# KiCad board panel.kicad_pcb (continued)
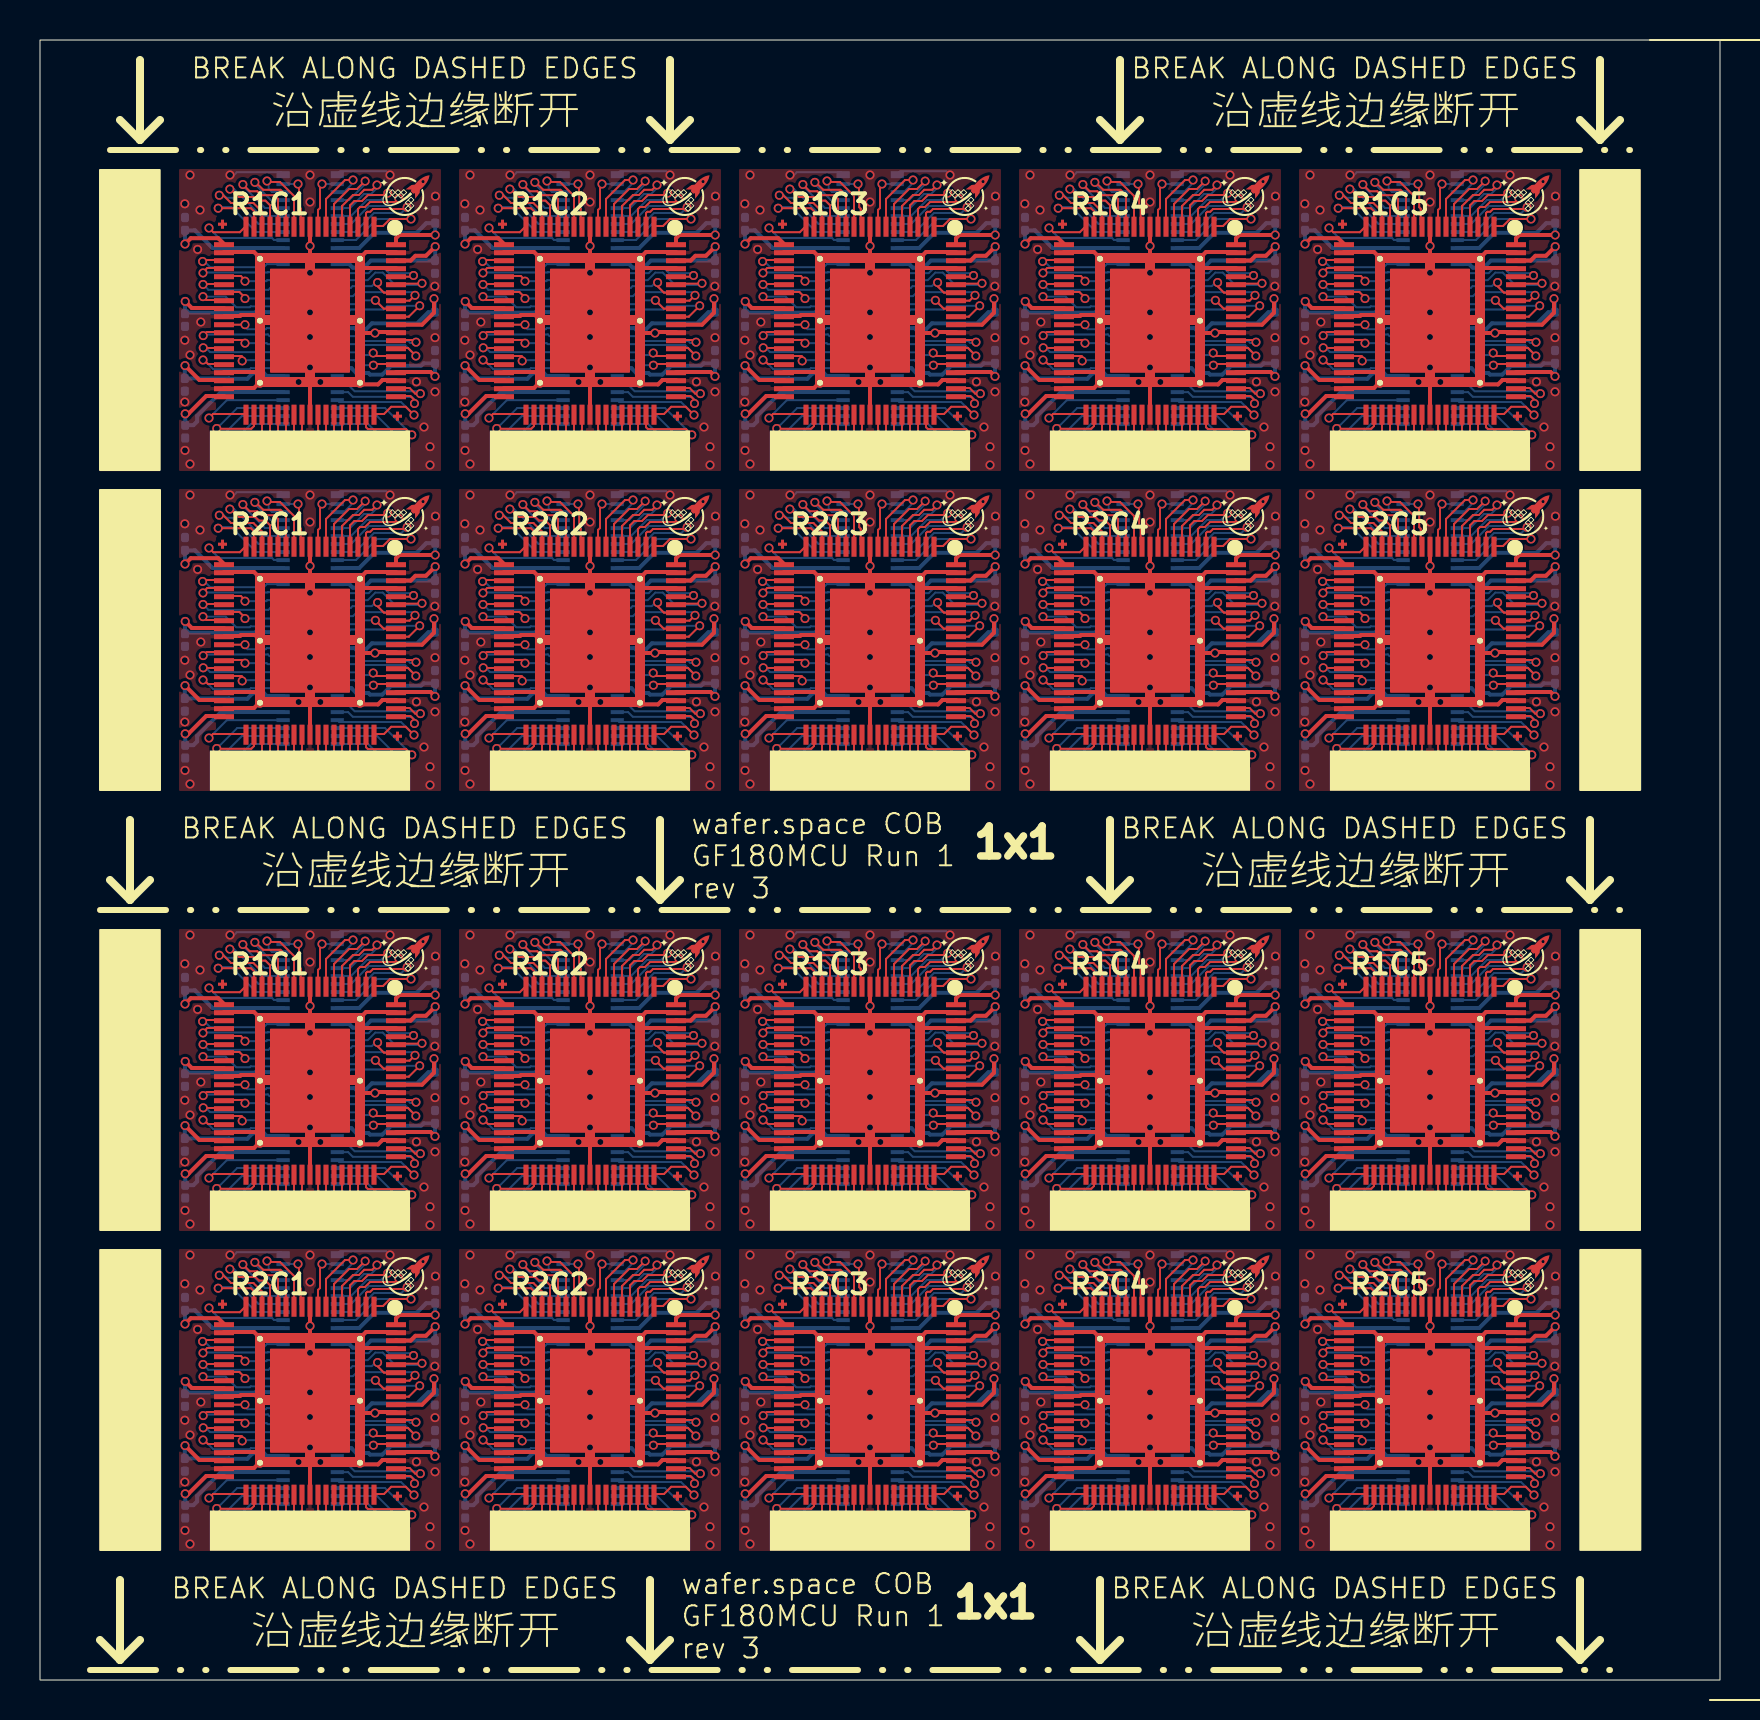
[diagram p0: board, top side]
## Nets (continued)
/pad_55: U101.26 U101#2.26 U102.56 U102#2.56 U103.26 U103#2.26 U104.56 U104#2.56 U105.26 U105#2.26 U106.56 U106#2.56 U107.26 U107#2.26 U108.56 U108#2.56 U109.26 U109#2.26 U110.56 U110#2.56 U111.26 U111#2.26 U112.56 U112#2.56 U113.26 U113#2.26 U114.56 U114#2.56 U115.26 U115#2.26 U116.56 U116#2.56 U117.26 U117#2.26 U118.56 U118#2.56 U119.26 U119#2.26 U120.56 U120#2.56
/pad_58: U101.23 U101#2.23 U102.59 U102#2.59 U103.23 U103#2.23 U104.59 U104#2.59 U105.23 U105#2.23 U106.59 U106#2.59 U107.23 U107#2.23 U108.59 U108#2.59 U109.23 U109#2.23 U110.59 U110#2.59 U111.23 U111#2.23 U112.59 U112#2.59 U113.23 U113#2.23 U114.59 U114#2.59 U115.23 U115#2.23 U116.59 U116#2.59 U117.23 U117#2.23 U118.59 U118#2.59 U119.23 U119#2.23 U120.59 U120#2.59
/pad_59: U101.22 U101#2.22 U102.60 U102#2.60 U103.22 U103#2.22 U104.60 U104#2.60 U105.22 U105#2.22 U106.60 U106#2.60 U107.22 U107#2.22 U108.60 U108#2.60 U109.22 U109#2.22 U110.60 U110#2.60 U111.22 U111#2.22 U112.60 U112#2.60 U113.22 U113#2.22 U114.60 U114#2.60 U115.22 U115#2.22 U116.60 U116#2.60 U117.22 U117#2.22 U118.60 U118#2.60 U119.22 U119#2.22 U120.60 U120#2.60
/pad_60: U101.21 U101#2.21 U102.61 U102#2.61 U103.21 U103#2.21 U104.61 U104#2.61 U105.21 U105#2.21 U106.61 U106#2.61 U107.21 U107#2.21 U108.61 U108#2.61 U109.21 U109#2.21 U110.61 U110#2.61 U111.21 U111#2.21 U112.61 U112#2.61 U113.21 U113#2.21 U114.61 U114#2.61 U115.21 U115#2.21 U116.61 U116#2.61 U117.21 U117#2.21 U118.61 U118#2.61 U119.21 U119#2.21 U120.61 U120#2.61
/pad_61: U101.20 U101#2.20 U102.62 U102#2.62 U103.20 U103#2.20 U104.62 U104#2.62 U105.20 U105#2.20 U106.62 U106#2.62 U107.20 U107#2.20 U108.62 U108#2.62 U109.20 U109#2.20 U110.62 U110#2.62 U111.20 U111#2.20 U112.62 U112#2.62 U113.20 U113#2.20 U114.62 U114#2.62 U115.20 U115#2.20 U116.62 U116#2.62 U117.20 U117#2.20 U118.62 U118#2.62 U119.20 U119#2.20 U120.62 U120#2.62
/pad_64: U101.17 U101#2.17 U102.65 U102#2.65 U103.17 U103#2.17 U104.65 U104#2.65 U105.17 U105#2.17 U106.65 U106#2.65 U107.17 U107#2.17 U108.65 U108#2.65 U109.17 U109#2.17 U110.65 U110#2.65 U111.17 U111#2.17 U112.65 U112#2.65 U113.17 U113#2.17 U114.65 U114#2.65 U115.17 U115#2.17 U116.65 U116#2.65 U117.17 U117#2.17 U118.65 U118#2.65 U119.17 U119#2.17 U120.65 U120#2.65
/pad_65: U101.16 U101#2.16 U102.66 U102#2.66 U103.16 U103#2.16 U104.66 U104#2.66 U105.16 U105#2.16 U106.66 U106#2.66 U107.16 U107#2.16 U108.66 U108#2.66 U109.16 U109#2.16 U110.66 U110#2.66 U111.16 U111#2.16 U112.66 U112#2.66 U113.16 U113#2.16 U114.66 U114#2.66 U115.16 U115#2.16 U116.66 U116#2.66 U117.16 U117#2.16 U118.66 U118#2.66 U119.16 U119#2.16 U120.66 U120#2.66
/pad_66: U101.15 U101#2.15 U102.67 U102#2.67 U103.15 U103#2.15 U104.67 U104#2.67 U105.15 U105#2.15 U106.67 U106#2.67 U107.15 U107#2.15 U108.67 U108#2.67 U109.15 U109#2.15 U110.67 U110#2.67 U111.15 U111#2.15 U112.67 U112#2.67 U113.15 U113#2.15 U114.67 U114#2.67 U115.15 U115#2.15 U116.67 U116#2.67 U117.15 U117#2.15 U118.67 U118#2.67 U119.15 U119#2.15 U120.67 U120#2.67
/pad_67: U101.14 U101#2.14 U102.68 U102#2.68 U103.14 U103#2.14 U104.68 U104#2.68 U105.14 U105#2.14 U106.68 U106#2.68 U107.14 U107#2.14 U108.68 U108#2.68 U109.14 U109#2.14 U110.68 U110#2.68 U111.14 U111#2.14 U112.68 U112#2.68 U113.14 U113#2.14 U114.68 U114#2.68 U115.14 U115#2.14 U116.68 U116#2.68 U117.14 U117#2.14 U118.68 U118#2.68 U119.14 U119#2.14 U120.68 U120#2.68
/pad_68: U101.13 U101#2.13 U102.69 U102#2.69 U103.13 U103#2.13 U104.69 U104#2.69 U105.13 U105#2.13 U106.69 U106#2.69 U107.13 U107#2.13 U108.69 U108#2.69 U109.13 U109#2.13 U110.69 U110#2.69 U111.13 U111#2.13 U112.69 U112#2.69 U113.13 U113#2.13 U114.69 U114#2.69 U115.13 U115#2.13 U116.69 U116#2.69 U117.13 U117#2.13 U118.69 U118#2.69 U119.13 U119#2.13 U120.69 U120#2.69
/pad_69: U101.12 U101#2.12 U102.70 U102#2.70 U103.12 U103#2.12 U104.70 U104#2.70 U105.12 U105#2.12 U106.70 U106#2.70 U107.12 U107#2.12 U108.70 U108#2.70 U109.12 U109#2.12 U110.70 U110#2.70 U111.12 U111#2.12 U112.70 U112#2.70 U113.12 U113#2.12 U114.70 U114#2.70 U115.12 U115#2.12 U116.70 U116#2.70 U117.12 U117#2.12 U118.70 U118#2.70 U119.12 U119#2.12 U120.70 U120#2.70
PWR_AUX_0: C105.1 C105#2.1 C113.1 C113#2.1 C121.1 C121#2.1 C129.1 C129#2.1 C137.1 C137#2.1 C145.1 C145#2.1 C153.1 C153#2.1 C161.1 C161#2.1 C169.1 C169#2.1 C177.1 C177#2.1 U101.54 U101#2.54 U102.26 U102#2.26 U103.54 U103#2.54 U104.26 U104#2.26 U105.54 U105#2.54 U106.26 U106#2.26 U107.54 U107#2.54 U108.26 U108#2.26 U109.54 U109#2.54 U110.26 U110#2.26 U111.54 U111#2.54 U112.26 U112#2.26 U113.54 U113#2.54 U114.26 U114#2.26 U115.54 U115#2.54 U116.26 U116#2.26 U117.54 U117#2.54 U118.26 U118#2.26 U119.54 U119#2.54 U120.26 U120#2.26
PWR_AUX_1: C106.1 C106#2.1 C114.1 C114#2.1 C122.1 C122#2.1 C130.1 C130#2.1 C138.1 C138#2.1 C146.1 C146#2.1 C154.1 C154#2.1 C162.1 C162#2.1 C170.1 C170#2.1 C178.1 C178#2.1 U101.19 U101#2.19 U102.64 U102#2.64 U103.19 U103#2.19 U104.64 U104#2.64 U105.19 U105#2.19 U106.64 U106#2.64 U107.19 U107#2.19 U108.64 U108#2.64 U109.19 U109#2.19 U110.64 U110#2.64 U111.19 U111#2.19 U112.64 U112#2.64 U113.19 U113#2.19 U114.64 U114#2.64 U115.19 U115#2.19 U116.64 U116#2.64 U117.19 U117#2.19 U118.64 U118#2.64 U119.19 U119#2.19 U120.64 U120#2.64

## Via types
v1: diameter 0.45, hole 0.3, Top to Bottom, 1960 vias

## Routing (per net, layer and track width the routed paths; a pad name or vN(x,y) marks a point on that pad's centre or on a via; arc(x,y) is an arc through that point)
GND: length 1147
  Top w0.2: 65.2,49.4 67,49.4 ; 65.2,11.4 67,11.4 ; 65.2,48.6 66.7,48.6 67,48.9 ; 45.8,55.4 44.3,55.4 44,55.1 ; 31.8,32.6 30,32.6 ; 65.2,14.2 66,14.2 66.05,14.25 66.75,14.25 67,14 ; 27.5,63.3 27.5,64.9 ; 23.2,33.4 24.7,33.4 25,33.1 ; 72,33.1 72.3,33.4 73.8,33.4 ; 41.5,9.3 41.5,10.9 ; 31.8,13.4 30.9,13.4 30.85,13.35 v1(30.75,13.35) 30.1,13.35 30,13.45 ; 11,33.1 10.7,33.4 9.2,33.4 ; 72,51.45 72.1,51.35 v1(72.75,51.35) 72.85,51.35 72.9,51.4 73.8,51.4 ; 53,33.1 52.7,33.4 51.2,33.4 ; 44,67.45 44.1,67.35 v1(44.75,67.35) 44.85,67.35 44.9,67.4 45.8,67.4 ; 67,26.9 66.7,26.6 65.2,26.6 ; 39,48.9 38.7,48.6 37.2,48.6 ; 55.5,25.3 55.5,26.9 ; 69.5,72.7 v1(69.5,71.7) 69.5,71.15 69.45,71.1 ; 13.5,72.7 v1(13.5,71.7) 13.5,71.15 13.45,71.1 ; 58,33.1 58.3,33.4 59.8,33.4 ; 39,30 38.75,30.25 38.05,30.25 38,30.2 37.2,30.2 ; 17.8,27 17.12,27 16.9,26.78 16.12,26.78 16,26.9 ; 72,48.9 72.12,48.78 72.9,48.78 73.12,49 73.8,49 ; 73.8,65 73.12,65 72.9,64.78 72.12,64.78 72,64.9 ; 23.2,30.2 24,30.2 24.05,30.25 24.75,30.25 25,30 ; 44,33.1 44.3,33.4 45.8,33.4 ; 9.2,71.4 10.7,71.4 11,71.1 ; 59.8,49 59.12,49 58.9,48.78 58.12,48.78 58,48.9 ; 51.2,68.2 52,68.2 52.05,68.25 52.75,68.25 53,68 ; 45.8,13.4 44.9,13.4 44.85,13.35 v1(44.75,13.35) 44.1,13.35 44,13.45 ; 59.8,54.6 58,54.6 ; 25,64.9 24.7,64.6 23.2,64.6 ; 53,48.9 52.7,48.6 51.2,48.6 ; 69.5,18.7 v1(69.5,17.7) 69.5,17.15 69.45,17.1 ; 67,10.9 66.7,10.6 65.2,10.6 ; 9.2,27.4 11,27.4 ; 69.5,56.7 v1(69.5,55.7) 69.5,55.15 69.45,55.1 ; 69.5,63.3 69.5,64.9 ; 25,10.9 24.7,10.6 23.2,10.6 ; 44,48.9 44.12,48.78 44.9,48.78 45.12,49 45.8,49 ; 13.5,18.7 v1(13.5,17.7) 13.5,17.15 13.45,17.1 ; 13.5,47.3 13.5,48.9 ; 65.2,30.2 66,30.2 66.05,30.25 66.75,30.25 67,30 ; 58,13.45 58.1,13.35 v1(58.75,13.35) 58.85,13.35 58.9,13.4 59.8,13.4 ; 41.45,33.1 41.5,33.15 v1(41.5,33.7) 41.5,34.7 ; 25,48.9 24.7,48.6 23.2,48.6 ; 73.8,70.6 72,70.6 ; 45.8,29.4 44.9,29.4 44.85,29.35 v1(44.75,29.35) 44.1,29.35 44,29.45 ; 58,10.9 58.12,10.78 58.9,10.78 59.12,11 59.8,11 ; 11,10.9 10.7,10.6 9.2,10.6 ; 27.45,55.1 27.5,55.15 v1(27.5,55.7) 27.5,56.7 ; 31.8,51.4 30.9,51.4 30.85,51.35 v1(30.75,51.35) 30.1,51.35 30,51.45 ; 9.2,52.2 10,52.2 10.05,52.25 10.75,52.25 11,52 ; 25,52 24.75,52.25 24.05,52.25 24,52.2 23.2,52.2 ; 51.2,10.6 52.7,10.6 53,10.9 ; 58,26.9 58.12,26.78 58.9,26.78 59.12,27 59.8,27 ; 37.2,11.4 39,11.4 ; 9.2,26.6 10.7,26.6 11,26.9 ; 23.2,71.4 24.7,71.4 25,71.1 ; 72,17.1 72.3,17.4 73.8,17.4 ; 37.2,71.4 38.7,71.4 39,71.1 ; 72,67.45 72.1,67.35 v1(72.75,67.35) 72.85,67.35 72.9,67.4 73.8,67.4 ; 44,26.9 44.12,26.78 44.9,26.78 45.12,27 45.8,27 ; 17.8,67.4 16.9,67.4 16.85,67.35 v1(16.75,67.35) 16.1,67.35 16,67.45 ; 55.5,9.3 55.5,10.9 ; 69.5,9.3 69.5,10.9 ; 55.45,55.1 55.5,55.15 v1(55.5,55.7) 55.5,56.7 ; 72,26.9 72.12,26.78 72.9,26.78 73.12,27 73.8,27 ; 45.8,70.6 44,70.6 ; 51.2,26.6 52.7,26.6 53,26.9 ; 45.8,65 45.12,65 44.9,64.78 44.12,64.78 44,64.9 ; 31.8,54.6 30,54.6 ; 31.8,70.6 30,70.6 ; 27.5,18.7 v1(27.5,17.7) 27.5,17.15 27.45,17.1 ; 23.2,14.2 24,14.2 24.05,14.25 24.75,14.25 25,14 ; 39,33.1 38.7,33.4 37.2,33.4 ; 41.45,55.1 41.5,55.15 v1(41.5,55.7) 41.5,56.7 ; 69.5,47.3 69.5,48.9 ; 25,55.1 24.7,55.4 23.2,55.4 ; 30,10.9 30.12,10.78 30.9,10.78 31.12,11 31.8,11 ; 37.2,68.2 38,68.2 38.05,68.25 38.75,68.25 39,68 ; 9.2,65.4 11,65.4 ; 17.8,17.4 16.3,17.4 16,17.1 ; 23.2,17.4 24.7,17.4 25,17.1 ; 58,71.1 58.3,71.4 59.8,71.4 ; 65.2,65.4 67,65.4 ; 73.8,13.4 72.9,13.4 72.85,13.35 v1(72.75,13.35) 72.1,13.35 72,13.45 ; 51.2,11.4 53,11.4 ; 9.2,11.4 11,11.4 ; 17.8,16.6 16,16.6 ; 39,17.1 38.7,17.4 37.2,17.4 ; 53,14 52.75,14.25 52.05,14.25 52,14.2 51.2,14.2 ; 73.8,11 73.12,11 72.9,10.78 72.12,10.78 72,10.9 ; 55.45,71.1 55.5,71.15 v1(55.5,71.7) 55.5,72.7 ; 16,48.9 16.12,48.78 16.9,48.78 17.12,49 17.8,49 ; 69.45,33.1 69.5,33.15 v1(69.5,33.7) 69.5,34.7 ; 59.8,32.6 58,32.6 ; 11,30 10.75,30.25 10.05,30.25 10,30.2 9.2,30.2 ; 23.2,68.2 24,68.2 24.05,68.25 24.75,68.25 25,68 ; 45.8,54.6 44,54.6 ; 41.5,72.7 v1(41.5,71.7) 41.5,71.15 41.45,71.1 ; 39,55.1 38.7,55.4 37.2,55.4 ; 44,71.1 44.3,71.4 45.8,71.4 ; 17.8,29.4 16.9,29.4 16.85,29.35 v1(16.75,29.35) 16.1,29.35 16,29.45 ; 16,71.1 16.3,71.4 17.8,71.4 ; 65.2,68.2 66,68.2 66.05,68.25 66.75,68.25 67,68 ; 45.8,32.6 44,32.6 ; 11,55.1 10.7,55.4 9.2,55.4 ; 13.45,33.1 13.5,33.15 v1(13.5,33.7) 13.5,34.7 ; 73.8,71.4 72.3,71.4 72,71.1 ; 41.5,25.3 41.5,26.9 ; 39,26.9 38.7,26.6 37.2,26.6 ; 53,71.1 52.7,71.4 51.2,71.4 ; 27.45,33.1 27.5,33.15 v1(27.5,33.7) 27.5,34.7 ; 9.2,17.4 10.7,17.4 11,17.1 ; 65.2,52.2 66,52.2 66.05,52.25 66.75,52.25 67,52 ; 65.2,33.4 66.7,33.4 67,33.1 ; 27.5,72.7 v1(27.5,71.7) 27.5,71.15 27.45,71.1 ; 37.2,14.2 38,14.2 38.05,14.25 38.75,14.25 39,14 ; 51.2,52.2 52,52.2 52.05,52.25 52.75,52.25 53,52 ; 30,29.45 30.1,29.35 v1(30.75,29.35) 30.85,29.35 30.9,29.4 31.8,29.4 ; 9.2,49.4 11,49.4 ; 30,71.1 30.3,71.4 31.8,71.4 ; 69.5,25.3 69.5,26.9 ; 67,55.1 66.7,55.4 65.2,55.4 ; 51.2,30.2 52,30.2 52.05,30.25 52.75,30.25 53,30 ; 9.2,64.6 10.7,64.6 11,64.9 ; 73.8,54.6 72,54.6 ; 59.8,67.4 58.9,67.4 58.85,67.35 v1(58.75,67.35) 58.1,67.35 58,67.45 ; 16,51.45 16.1,51.35 v1(16.75,51.35) 16.85,51.35 16.9,51.4 17.8,51.4 ; 23.2,49.4 25,49.4 ; 39,52 38.75,52.25 38.05,52.25 38,52.2 37.2,52.2 ; 39,64.9 38.7,64.6 37.2,64.6 ; 17.8,11 17.12,11 16.9,10.78 16.12,10.78 16,10.9 ; 27.5,9.3 27.5,10.9 ; 41.5,63.3 41.5,64.9 ; 59.8,55.4 58.3,55.4 58,55.1 ; 31.8,49 31.12,49 30.9,48.78 30.12,48.78 30,48.9 ; 17.8,65 17.12,65 16.9,64.78 16.12,64.78 16,64.9 ; 17.8,55.4 16.3,55.4 16,55.1 ; 13.5,9.3 13.5,10.9 ; 16,33.1 16.3,33.4 17.8,33.4 ; 65.2,64.6 66.7,64.6 67,64.9 ; 13.45,55.1 13.5,55.15 v1(13.5,55.7) 13.5,56.7 ; 31.8,33.4 30.3,33.4 30,33.1 ; 59.8,51.4 58.9,51.4 58.85,51.35 v1(58.75,51.35) 58.1,51.35 58,51.45 ; 65.2,17.4 66.7,17.4 67,17.1 ; 39,10.9 38.7,10.6 37.2,10.6 ; 53,64.9 52.7,64.6 51.2,64.6 ; 73.8,55.4 72.3,55.4 72,55.1 ; 73.8,32.6 72,32.6 ; 9.2,68.2 10,68.2 10.05,68.25 10.75,68.25 11,68 ; 16,13.45 16.1,13.35 v1(16.75,13.35) 16.85,13.35 16.9,13.4 17.8,13.4 ; 31.8,55.4 30.3,55.4 30,55.1 ; 53,55.1 52.7,55.4 51.2,55.4 ; 37.2,49.4 39,49.4 ; 59.8,70.6 58,70.6 ; 41.5,18.7 v1(41.5,17.7) 41.5,17.15 41.45,17.1 ; 45.8,16.6 44,16.6 ; 44,17.1 44.3,17.4 45.8,17.4 ; 45.8,11 45.12,11 44.9,10.78 44.12,10.78 44,10.9 ; 51.2,17.4 52.7,17.4 53,17.1 ; 27.5,25.3 27.5,26.9 ; 55.5,63.3 55.5,64.9 ; 31.8,17.4 30.3,17.4 30,17.1 ; 9.2,48.6 10.7,48.6 11,48.9 ; 55.5,47.3 55.5,48.9 ; 13.5,63.3 13.5,64.9 ; 65.2,71.4 66.7,71.4 67,71.1 ; 55.45,17.1 55.5,17.15 v1(55.5,17.7) 55.5,18.7 ; 55.5,34.7 v1(55.5,33.7) 55.5,33.15 55.45,33.1 ; 45.8,51.4 44.9,51.4 44.85,51.35 v1(44.75,51.35) 44.1,51.35 44,51.45 ; 51.2,49.4 53,49.4 ; 31.8,27 31.12,27 30.9,26.78 30.12,26.78 30,26.9 ; 58,64.9 58.12,64.78 58.9,64.78 59.12,65 59.8,65 ; 30,67.45 30.1,67.35 v1(30.75,67.35) 30.85,67.35 30.9,67.4 31.8,67.4 ; 17.8,32.6 16,32.6 ; 59.8,29.4 58.9,29.4 58.85,29.35 v1(58.75,29.35) 58.1,29.35 58,29.45 ; 31.8,65 31.12,65 30.9,64.78 30.12,64.78 30,64.9 ; 11,14 10.75,14.25 10.05,14.25 10,14.2 9.2,14.2 ; 58,17.1 58.3,17.4 59.8,17.4 ; 51.2,27.4 53,27.4 ; 23.2,27.4 25,27.4 ; 13.5,25.3 13.5,26.9 ; 73.8,16.6 72,16.6 ; 59.8,16.6 58,16.6 ; 17.8,54.6 16,54.6 ; 65.2,27.4 67,27.4 ; 25,26.9 24.7,26.6 23.2,26.6 ; 23.2,11.4 25,11.4 ; 72,29.45 72.1,29.35 v1(72.75,29.35) 72.85,29.35 72.9,29.4 73.8,29.4 ; 23.2,65.4 25,65.4 ; 51.2,65.4 53,65.4 ; 27.5,47.3 27.5,48.9 ; 31.8,16.6 30,16.6 ; 37.2,27.4 39,27.4 ; 41.5,47.3 41.5,48.9 ; 37.2,65.4 39,65.4 ; 17.8,70.6 16,70.6
  Top w0.5: 69.5,64.9 v1(69.5,65.63) v1(69.5,67.15) v1(69.5,68.38) v1(69.5,70.36) 69.5,71.05 69.45,71.1 ; 69.5,64.9 v1(70.02,64.9) 72,64.9 72,68 ; 69.5,64.9 v1(68.93,64.9) 67,64.9 67,68 ; 69.5,26.9 v1(68.93,26.9) 67,26.9 67,30 ; 69.5,26.9 v1(69.5,27.63) v1(69.5,29.15) v1(69.5,30.38) v1(69.5,32.36) 69.5,33.05 69.45,33.1 ; 69.5,26.9 v1(70.02,26.9) 72,26.9 72,30 ; 53,68 53,71.1 55.45,71.1 ; 53,68 53,64.9 v1(54.93,64.9) 55.5,64.9 ; 53,68 58,68 ; 55.45,33.1 55.5,33.05 v1(55.5,32.36) v1(55.5,30.38) v1(55.5,29.15) v1(55.5,27.63) 55.5,26.9 ; 55.45,33.1 58,33.1 58,30 ; 55.45,33.1 53,33.1 53,30 ; 67,30 72,30 ; 67,30 67,33.1 69.45,33.1 ; 72,30 72,33.1 69.45,33.1 ; 30,52 30,55.1 27.45,55.1 ; 30,52 30,48.9 v1(28.02,48.9) 27.5,48.9 ; 30,52 25,52 ; 13.45,71.1 16,71.1 16,68 ; 13.45,71.1 11,71.1 11,68 ; 13.45,71.1 13.5,71.05 v1(13.5,70.36) v1(13.5,68.38) v1(13.5,67.15) v1(13.5,65.63) 13.5,64.9 ; 11,68 11,64.9 v1(12.93,64.9) 13.5,64.9 ; 11,68 16,68 ; 27.45,33.1 30,33.1 30,30 ; 27.45,33.1 27.5,33.05 v1(27.5,32.36) v1(27.5,30.38) v1(27.5,29.15) v1(27.5,27.63) 27.5,26.9 ; 27.45,33.1 25,33.1 25,30 ; 25,52 25,55.1 27.45,55.1 ; 25,52 25,48.9 v1(26.93,48.9) 27.5,48.9 ; 55.45,71.1 58,71.1 58,68 ; 55.45,71.1 55.5,71.05 v1(55.5,70.36) v1(55.5,68.38) v1(55.5,67.15) v1(55.5,65.63) 55.5,64.9 ; 13.5,48.9 v1(13.5,49.63) v1(13.5,51.15) v1(13.5,52.38) v1(13.5,54.36) 13.5,55.05 13.45,55.1 ; 13.5,48.9 v1(14.02,48.9) 16,48.9 16,52 ; 13.5,48.9 v1(12.93,48.9) 11,48.9 11,52 ; 72,52 72,48.9 v1(70.02,48.9) 69.5,48.9 ; 72,52 72,55.1 69.45,55.1 ; 72,52 67,52 ; 58,14 58,17.1 55.45,17.1 ; 58,14 53,14 ; 58,14 58,10.9 v1(56.02,10.9) 55.5,10.9 ; 39,14 44,14 ; 39,14 39,17.1 41.45,17.1 ; 39,14 39,10.9 v1(40.93,10.9) 41.5,10.9 ; 44,14 44,17.1 41.45,17.1 ; 44,14 44,10.9 v1(42.02,10.9) 41.5,10.9 ; 27.45,55.1 27.5,55.05 v1(27.5,54.36) v1(27.5,52.38) v1(27.5,51.15) v1(27.5,49.63) 27.5,48.9 ; 67,52 67,55.1 69.45,55.1 ; 67,52 67,48.9 v1(68.93,48.9) 69.5,48.9 ; 69.45,55.1 69.5,55.05 v1(69.5,54.36) v1(69.5,52.38) v1(69.5,51.15) v1(69.5,49.63) 69.5,48.9 ; 39,30 39,33.1 41.45,33.1 ; 39,30 44,30 ; 39,30 39,26.9 v1(40.93,26.9) 41.5,26.9 ; 44,30 44,26.9 v1(42.02,26.9) 41.5,26.9 ; 44,30 44,33.1 41.45,33.1 ; 30,14 30,17.1 27.45,17.1 ; 30,14 25,14 ; 30,14 30,10.9 v1(28.02,10.9) 27.5,10.9 ; 27.5,26.9 v1(26.93,26.9) 25,26.9 25,30 ; 27.5,26.9 v1(28.02,26.9) 30,26.9 30,30 ; 55.5,48.9 v1(55.5,49.63) v1(55.5,51.15) v1(55.5,52.38) v1(55.5,54.36) 55.5,55.05 55.45,55.1 ; 55.5,48.9 v1(54.93,48.9) 53,48.9 53,52 ; 55.5,48.9 v1(56.02,48.9) 58,48.9 58,52 ; 11,52 11,55.1 13.45,55.1 ; 11,52 16,52 ; 16,68 16,64.9 v1(14.02,64.9) 13.5,64.9 ; 53,52 53,55.1 55.45,55.1 ; 53,52 58,52 ; 16,14 16,10.9 v1(14.02,10.9) 13.5,10.9 ; 16,14 16,17.1 13.45,17.1 ; 16,14 11,14 ; 72,68 72,71.1 69.45,71.1 ; 72,68 67,68 ; 27.5,10.9 v1(27.5,11.63) v1(27.5,13.15) v1(27.5,14.38) v1(27.5,16.36) 27.5,17.05 27.45,17.1 ; 27.5,10.9 v1(26.93,10.9) 25,10.9 25,14 ; 53,14 53,10.9 v1(54.93,10.9) 55.5,10.9 ; 53,14 53,17.1 55.45,17.1 ; 13.45,33.1 11,33.1 11,30 ; 13.45,33.1 16,33.1 16,30 ; 13.45,33.1 13.5,33.05 v1(13.5,32.36) v1(13.5,30.38) v1(13.5,29.15) v1(13.5,27.63) 13.5,26.9 ; 11,30 11,26.9 v1(12.93,26.9) 13.5,26.9 ; 11,30 16,30 ; 25,30 30,30 ; 41.45,55.1 39,55.1 39,52 ; 41.45,55.1 44,55.1 44,52 ; 41.45,55.1 41.5,55.05 v1(41.5,54.36) v1(41.5,52.38) v1(41.5,51.15) v1(41.5,49.63) 41.5,48.9 ; 67,14 67,10.9 v1(68.93,10.9) 69.5,10.9 ; 67,14 72,14 ; 67,14 67,17.1 69.45,17.1 ; 72,14 72,10.9 v1(70.02,10.9) 69.5,10.9 ; 72,14 72,17.1 69.45,17.1 ; 55.5,10.9 v1(55.5,11.63) v1(55.5,13.15) v1(55.5,14.38) v1(55.5,16.36) 55.5,17.05 55.45,17.1 ; 69.5,10.9 v1(69.5,11.63) v1(69.5,13.15) v1(69.5,14.38) v1(69.5,16.36) 69.5,17.05 69.45,17.1 ; 44,68 44,64.9 v1(42.02,64.9) 41.5,64.9 ; 44,68 44,71.1 41.45,71.1 ; 44,68 39,68 ; 30,68 30,71.1 27.45,71.1 ; 30,68 30,64.9 v1(28.02,64.9) 27.5,64.9 ; 30,68 25,68 ; 13.45,17.1 11,17.1 11,14 ; 13.45,17.1 13.5,17.05 v1(13.5,16.36) v1(13.5,14.38) v1(13.5,13.15) v1(13.5,11.63) 13.5,10.9 ; 55.45,55.1 58,55.1 58,52 ; 39,52 39,48.9 v1(40.93,48.9) 41.5,48.9 ; 39,52 44,52 ; 67,68 67,71.1 69.45,71.1 ; 27.45,71.1 25,71.1 25,68 ; 27.45,71.1 27.5,71.05 v1(27.5,70.36) v1(27.5,68.38) v1(27.5,67.15) v1(27.5,65.63) 27.5,64.9 ; 11,14 11,10.9 v1(12.93,10.9) 13.5,10.9 ; 13.45,55.1 16,55.1 16,52 ; 55.5,64.9 v1(56.02,64.9) 58,64.9 58,68 ; 41.5,64.9 v1(40.93,64.9) 39,64.9 39,68 ; 41.5,64.9 v1(41.5,65.63) v1(41.5,67.15) v1(41.5,68.38) v1(41.5,70.36) 41.5,71.05 41.45,71.1 ; 39,68 39,71.1 41.45,71.1 ; 55.5,26.9 v1(54.93,26.9) 53,26.9 53,30 ; 55.5,26.9 v1(56.02,26.9) 58,26.9 58,30 ; 25,68 25,64.9 v1(26.93,64.9) 27.5,64.9 ; 16,30 16,26.9 v1(14.02,26.9) 13.5,26.9 ; 41.5,48.9 v1(42.02,48.9) 44,48.9 44,52 ; 41.5,26.9 v1(41.5,27.63) v1(41.5,29.15) v1(41.5,30.38) v1(41.5,32.36) 41.5,33.05 41.45,33.1 ; 53,30 58,30 ; 41.5,10.9 v1(41.5,11.63) v1(41.5,13.15) v1(41.5,14.38) v1(41.5,16.36) 41.5,17.05 41.45,17.1 ; 25,14 25,17.1 27.45,17.1
  Bottom w0.1: 42.85,21.28 43.02,21.44 45.31,21.44 v1(45.5,21.25) ; 65.65,37.2 65.84,37.39 68.03,37.39 68.15,37.28 ; 14.85,59.28 15.02,59.44 17.31,59.44 v1(17.5,59.25) ; 51.65,75.2 51.84,75.39 54.03,75.39 54.15,75.28 ; 40.15,75.28 40.03,75.39 37.84,75.39 37.65,75.2 ; 9.65,37.2 9.84,37.39 12.03,37.39 12.15,37.28 ; 23.65,59.2 23.84,59.39 26.03,59.39 26.15,59.28 ; 68.15,59.28 68.03,59.39 65.84,59.39 65.65,59.2 ; 54.15,21.28 54.03,21.39 51.84,21.39 51.65,21.2 ; 40.15,37.28 40.03,37.39 37.84,37.39 37.65,37.2 ; 70.86,75.28 71.02,75.44 73.31,75.44 v1(73.5,75.25) ; 26.15,21.28 26.03,21.39 23.84,21.39 23.65,21.2 ; 12.15,21.28 12.03,21.39 9.84,21.39 9.65,21.2 ; 14.85,37.28 15.02,37.44 17.31,37.44 v1(17.5,37.25) ; 54.15,59.28 54.03,59.39 51.84,59.39 51.65,59.2 ; 9.65,59.2 9.84,59.39 12.03,59.39 12.15,59.28 ; 56.85,75.28 57.02,75.44 59.31,75.44 v1(59.5,75.25) ; v1(59.5,21.25) 59.31,21.44 57.02,21.44 56.85,21.28 ; 65.65,21.2 65.84,21.39 68.03,21.39 68.15,21.28 ; 37.65,21.2 37.84,21.39 40.03,21.39 40.15,21.28 ; 23.65,75.2 23.84,75.39 26.03,75.39 26.15,75.28 ; v1(45.5,75.25) 45.31,75.44 43.02,75.44 42.85,75.28 ; v1(73.5,37.25) 73.31,37.44 71.02,37.44 70.86,37.28 ; v1(17.5,75.25) 17.31,75.44 15.02,75.44 14.85,75.28 ; 54.15,37.28 54.03,37.39 51.84,37.39 51.65,37.2 ; v1(17.5,21.25) 17.31,21.44 15.02,21.44 14.85,21.28 ; 68.15,75.28 68.03,75.39 65.84,75.39 65.65,75.2 ; 9.65,75.2 9.84,75.39 12.03,75.39 12.15,75.28 ; 28.85,75.28 29.02,75.44 31.31,75.44 v1(31.5,75.25) ; v1(59.5,37.25) 59.31,37.44 57.02,37.44 56.85,37.28 ; 42.85,59.28 43.02,59.44 45.31,59.44 v1(45.5,59.25) ; 70.86,59.28 71.02,59.44 73.31,59.44 v1(73.5,59.25) ; v1(31.5,59.25) 31.31,59.44 29.02,59.44 28.85,59.28 ; v1(31.5,37.25) 31.31,37.44 29.02,37.44 28.85,37.28 ; v1(73.5,21.25) 73.31,21.44 71.02,21.44 70.86,21.28 ; v1(31.5,21.25) 31.31,21.44 29.02,21.44 28.85,21.28 ; 40.15,59.28 40.03,59.39 37.84,59.39 37.65,59.2 ; 56.85,59.28 57.02,59.44 59.31,59.44 v1(59.5,59.25) ; v1(45.5,37.25) 45.31,37.44 43.02,37.44 42.85,37.28 ; 23.65,37.2 23.84,37.39 26.03,37.39 26.15,37.28
  vias: v1(7.24,73.81) v1(7.24,66.99) v1(7.24,63.9) v1(7.25,61.48) v1(7.24,57.81) v1(7.24,50.99) v1(7.24,47.9) v1(7.25,45.48) v1(7.24,35.81) v1(7.24,28.99) v1(7.24,25.9) v1(7.25,23.48) v1(7.24,19.81) v1(7.24,12.99) v1(7.24,9.9) v1(7.25,7.48) v1(7.5,75.25) v1(7.5,66.25) v1(7.5,60.8) v1(7.5,59.25) v1(7.5,50.25) v1(7.5,44.8) v1(7.5,37.25) v1(7.5,28.25) v1(7.5,22.8) v1(7.5,21.25) v1(7.5,12.25) v1(7.5,6.8) v1(7.88,71.53) v1(7.88,55.53) v1(7.88,33.53) v1(7.88,17.53) v1(8,73.5) v1(8,57.5) v1(8,35.5) v1(8,19.5) v1(8.04,67.9) v1(8.04,51.9) v1(8.04,29.9) v1(8.04,13.9) v1(9.5,75.25) v1(9.5,59.25) v1(9.5,37.25) v1(9.5,21.25) v1(9.85,60.75) v1(9.85,44.75) v1(9.85,22.75) v1(9.85,6.75) v1(13.5,75.25) v1(13.5,73.9) v1(13.5,62.15) v1(13.5,60.8) v1(13.5,59.25) v1(13.5,57.9) v1(13.5,46.15) v1(13.5,44.8) v1(13.5,37.25) v1(13.5,35.9) v1(13.5,24.15) v1(13.5,22.8) v1(13.5,21.25) v1(13.5,19.9) v1(13.5,8.15) v1(13.5,6.8) v1(17.5,60.75) v1(17.5,44.75) v1(17.5,22.75) v1(17.5,6.75) v1(18.82,64.91) v1(18.82,48.91) v1(18.82,26.91) v1(18.82,10.91) v1(19.2,62.65) v1(19.2,46.65) v1(19.2,24.65) v1(19.2,8.65) v1(19.5,61.67) v1(19.5,60.75) v1(19.5,45.67) v1(19.5,44.75) v1(19.5,23.67) v1(19.5,22.75) v1(19.5,7.67) v1(19.5,6.75) v1(19.77,74.19) v1(19.74,69.69) v1(19.75,67.12) v1(19.75,64.41) v1(19.77,58.19) v1(19.74,53.69) v1(19.75,51.12) v1(19.75,48.41) v1(19.77,36.19) v1(19.74,31.69) v1(19.75,29.12) v1(19.75,26.41) v1(19.77,20.19) v1(19.74,15.69) v1(19.75,13.12) v1(19.75,10.41) v1(21.24,73.81) v1(21.24,66.99) v1(21.24,63.9) v1(21.25,61.48) v1(21.24,57.81) v1(21.24,50.99) v1(21.24,47.9) v1(21.25,45.48) v1(21.24,35.81) v1(21.24,28.99) v1(21.24,25.9) v1(21.25,23.48) v1(21.24,19.81) v1(21.24,12.99) v1(21.24,9.9) v1(21.25,7.48) v1(21.5,75.25) v1(21.5,66.25) v1(21.5,60.8) v1(21.5,59.25) v1(21.5,50.25) v1(21.5,44.8) v1(21.5,37.25) v1(21.5,28.25) v1(21.5,22.8) v1(21.5,21.25) v1(21.5,12.25) v1(21.5,6.8) v1(21.88,71.53) v1(21.88,55.53) v1(21.88,33.53) v1(21.88,17.53) v1(22,73.5) v1(22,57.5) v1(22,35.5) v1(22,19.5) v1(22.04,67.9) v1(22.04,51.9) v1(22.04,29.9) v1(22.04,13.9) v1(23.5,75.25) v1(23.5,59.25) v1(23.5,37.25) v1(23.5,21.25) v1(23.85,60.75) v1(23.85,44.75) v1(23.85,22.75) v1(23.85,6.75) v1(27.5,75.25) v1(27.5,73.9) v1(27.5,62.15) v1(27.5,60.8) v1(27.5,59.25) v1(27.5,57.9) v1(27.5,46.15) v1(27.5,44.8) v1(27.5,37.25) v1(27.5,35.9) v1(27.5,24.15) v1(27.5,22.8) v1(27.5,21.25) v1(27.5,19.9) v1(27.5,8.15) v1(27.5,6.8) v1(31.5,60.75) v1(31.5,44.75) v1(31.5,22.75) v1(31.5,6.75) v1(32.82,64.91) v1(32.82,48.91) v1(32.82,26.91) v1(32.82,10.91) v1(33.2,62.65) v1(33.2,46.65) v1(33.2,24.65) v1(33.2,8.65) v1(33.5,61.67) v1(33.5,60.75) v1(33.5,45.67) v1(33.5,44.75) v1(33.5,23.67) v1(33.5,22.75) v1(33.5,7.67) v1(33.5,6.75) v1(33.77,74.19) v1(33.74,69.69) v1(33.75,67.12) v1(33.75,64.41) v1(33.77,58.19) v1(33.74,53.69) v1(33.75,51.12) v1(33.75,48.41) v1(33.77,36.19) v1(33.74,31.69) v1(33.75,29.12) v1(33.75,26.41) v1(33.77,20.19) v1(33.74,15.69) v1(33.75,13.12) v1(33.75,10.41) v1(35.24,73.81) v1(35.24,66.99) v1(35.24,63.9) v1(35.25,61.48) v1(35.24,57.81) v1(35.24,50.99) v1(35.24,47.9) v1(35.25,45.48) v1(35.24,35.81) v1(35.24,28.99) v1(35.24,25.9) v1(35.25,23.48) v1(35.24,19.81) v1(35.24,12.99) v1(35.24,9.9) v1(35.25,7.48) v1(35.5,75.25) v1(35.5,66.25) v1(35.5,60.8) v1(35.5,59.25) v1(35.5,50.25) v1(35.5,44.8) v1(35.5,37.25) v1(35.5,28.25) v1(35.5,22.8) v1(35.5,21.25) v1(35.5,12.25) v1(35.5,6.8) v1(35.88,71.53) v1(35.88,55.53) v1(35.88,33.53) v1(35.88,17.53) v1(36,73.5) v1(36,57.5) v1(36,35.5) v1(36,19.5) v1(36.04,67.9) v1(36.04,51.9) v1(36.04,29.9) v1(36.04,13.9) v1(37.5,75.25) v1(37.5,59.25) v1(37.5,37.25) v1(37.5,21.25) v1(37.85,60.75) v1(37.85,44.75) v1(37.85,22.75) v1(37.85,6.75) v1(41.5,75.25) v1(41.5,73.9) v1(41.5,62.15) v1(41.5,60.8) v1(41.5,59.25) v1(41.5,57.9) v1(41.5,46.15) v1(41.5,44.8) v1(41.5,37.25) v1(41.5,35.9) v1(41.5,24.15) v1(41.5,22.8) v1(41.5,21.25) v1(41.5,19.9) v1(41.5,8.15) v1(41.5,6.8) v1(45.5,60.75) v1(45.5,44.75) v1(45.5,22.75) v1(45.5,6.75) v1(46.82,64.91) v1(46.82,48.91) v1(46.82,26.91) v1(46.82,10.91) v1(47.2,62.65) v1(47.2,46.65) v1(47.2,24.65) v1(47.2,8.65) v1(47.5,61.67) v1(47.5,60.75) v1(47.5,45.67) v1(47.5,44.75) v1(47.5,23.67) v1(47.5,22.75) v1(47.5,7.67) v1(47.5,6.75) v1(47.77,74.19) v1(47.74,69.69) v1(47.75,67.12) v1(47.75,64.41) v1(47.77,58.19) v1(47.74,53.69) v1(47.75,51.12) v1(47.75,48.41) v1(47.77,36.19) v1(47.74,31.69) v1(47.75,29.12) v1(47.75,26.41) v1(47.77,20.19) v1(47.74,15.69) v1(47.75,13.12) v1(47.75,10.41) v1(49.24,73.81) v1(49.24,66.99) v1(49.24,63.9) v1(49.25,61.48) v1(49.24,57.81) v1(49.24,50.99) v1(49.24,47.9) v1(49.25,45.48) v1(49.24,35.81) v1(49.24,28.99) v1(49.24,25.9) v1(49.25,23.48) v1(49.24,19.81) v1(49.24,12.99) v1(49.24,9.9) v1(49.25,7.48) v1(49.5,75.25) v1(49.5,66.25) v1(49.5,60.8) v1(49.5,59.25) v1(49.5,50.25) v1(49.5,44.8) v1(49.5,37.25) v1(49.5,28.25) v1(49.5,22.8) v1(49.5,21.25) v1(49.5,12.25) v1(49.5,6.8) v1(49.88,71.53) v1(49.88,55.53) v1(49.88,33.53) v1(49.88,17.53) v1(50,73.5) v1(50,57.5) v1(50,35.5) v1(50,19.5) v1(50.04,67.9) v1(50.04,51.9) v1(50.04,29.9) v1(50.04,13.9) v1(51.5,75.25) v1(51.5,59.25) v1(51.5,37.25) v1(51.5,21.25) v1(51.85,60.75) v1(51.85,44.75) v1(51.85,22.75) v1(51.85,6.75) v1(55.5,75.25) v1(55.5,73.9) v1(55.5,62.15) v1(55.5,60.8) v1(55.5,59.25) v1(55.5,57.9) v1(55.5,46.15) v1(55.5,44.8) v1(55.5,37.25) v1(55.5,35.9) v1(55.5,24.15) v1(55.5,22.8) v1(55.5,21.25) v1(55.5,19.9) v1(55.5,8.15) v1(55.5,6.8) v1(59.5,60.75) v1(59.5,44.75) v1(59.5,22.75) v1(59.5,6.75) v1(60.82,64.91) v1(60.82,48.91) v1(60.82,26.91) v1(60.82,10.91) v1(61.2,62.65) v1(61.2,46.65) v1(61.2,24.65) v1(61.2,8.65) v1(61.5,61.67) v1(61.5,60.75) v1(61.5,45.67) v1(61.5,44.75) v1(61.5,23.67) v1(61.5,22.75) v1(61.5,7.67) v1(61.5,6.75) v1(61.77,74.19) v1(61.74,69.69) v1(61.75,67.12) v1(61.75,64.41) v1(61.77,58.19) v1(61.74,53.69) v1(61.75,51.12) v1(61.75,48.41) v1(61.77,36.19) v1(61.74,31.69) v1(61.75,29.12) v1(61.75,26.41) v1(61.77,20.19) v1(61.74,15.69) v1(61.75,13.12) v1(61.75,10.41) v1(63.24,73.81) v1(63.24,66.99) v1(63.24,63.9) v1(63.25,61.48) v1(63.24,57.81) v1(63.24,50.99) v1(63.24,47.9) v1(63.25,45.48) v1(63.24,35.81) v1(63.24,28.99) v1(63.24,25.9) v1(63.25,23.48) v1(63.24,19.81) v1(63.24,12.99) v1(63.24,9.9) v1(63.25,7.48) v1(63.5,75.25) v1(63.5,66.25) v1(63.5,60.8) v1(63.5,59.25) v1(63.5,50.25) v1(63.5,44.8) v1(63.5,37.25) v1(63.5,28.25) v1(63.5,22.8) v1(63.5,21.25) v1(63.5,12.25) v1(63.5,6.8) v1(63.88,71.53) v1(63.88,55.53) v1(63.88,33.53) v1(63.88,17.53) v1(64,73.5) v1(64,57.5) v1(64,35.5) v1(64,19.5) v1(64.04,67.9) v1(64.04,51.9) v1(64.04,29.9) v1(64.04,13.9) v1(65.5,75.25) v1(65.5,59.25) v1(65.5,37.25) v1(65.5,21.25) v1(65.85,60.75) v1(65.85,44.75) v1(65.85,22.75) v1(65.85,6.75) v1(69.5,75.25) v1(69.5,73.9) v1(69.5,62.15) v1(69.5,60.8) v1(69.5,59.25) v1(69.5,57.9) v1(69.5,46.15) v1(69.5,44.8) v1(69.5,37.25) v1(69.5,35.9) v1(69.5,24.15) v1(69.5,22.8) v1(69.5,21.25) v1(69.5,19.9) v1(69.5,8.15) v1(69.5,6.8) v1(73.5,60.75) v1(73.5,44.75) v1(73.5,22.75) v1(73.5,6.75) v1(74.82,64.91) v1(74.82,48.91) v1(74.82,26.91) v1(74.82,10.91) v1(75.2,62.65) v1(75.2,46.65) v1(75.2,24.65) v1(75.2,8.65) v1(75.5,61.67) v1(75.5,60.75) v1(75.5,45.67) v1(75.5,44.75) v1(75.5,23.67) v1(75.5,22.75) v1(75.5,7.67) v1(75.5,6.75) v1(75.77,74.19) v1(75.74,69.69) v1(75.75,67.12) v1(75.75,64.41) v1(75.77,58.19) v1(75.74,53.69) v1(75.75,51.12) v1(75.75,48.41) v1(75.77,36.19) v1(75.74,31.69) v1(75.75,29.12) v1(75.75,26.41) v1(75.77,20.19) v1(75.74,15.69) v1(75.75,13.12) v1(75.75,10.41)
